# Altium PCB 1-quilter-input.PcbDoc (part 3 of 4)
Units mil, origin at the board's own origin, x right, y up, seen from the top; angles counter-clockwise.
Board outline 4130.55 x 4250 mil, 8 copper layers (TOP, L2_GND1, L3_IN1, L4_POWER_1, L5_POWER_2, L6_IN2, L7_GND2, BOTTOM), stack 61.99 mil thick; 591 components, 494 nets, 2245 pads, 0 vias.
Unrouted connection lines stored in the file: 1698.
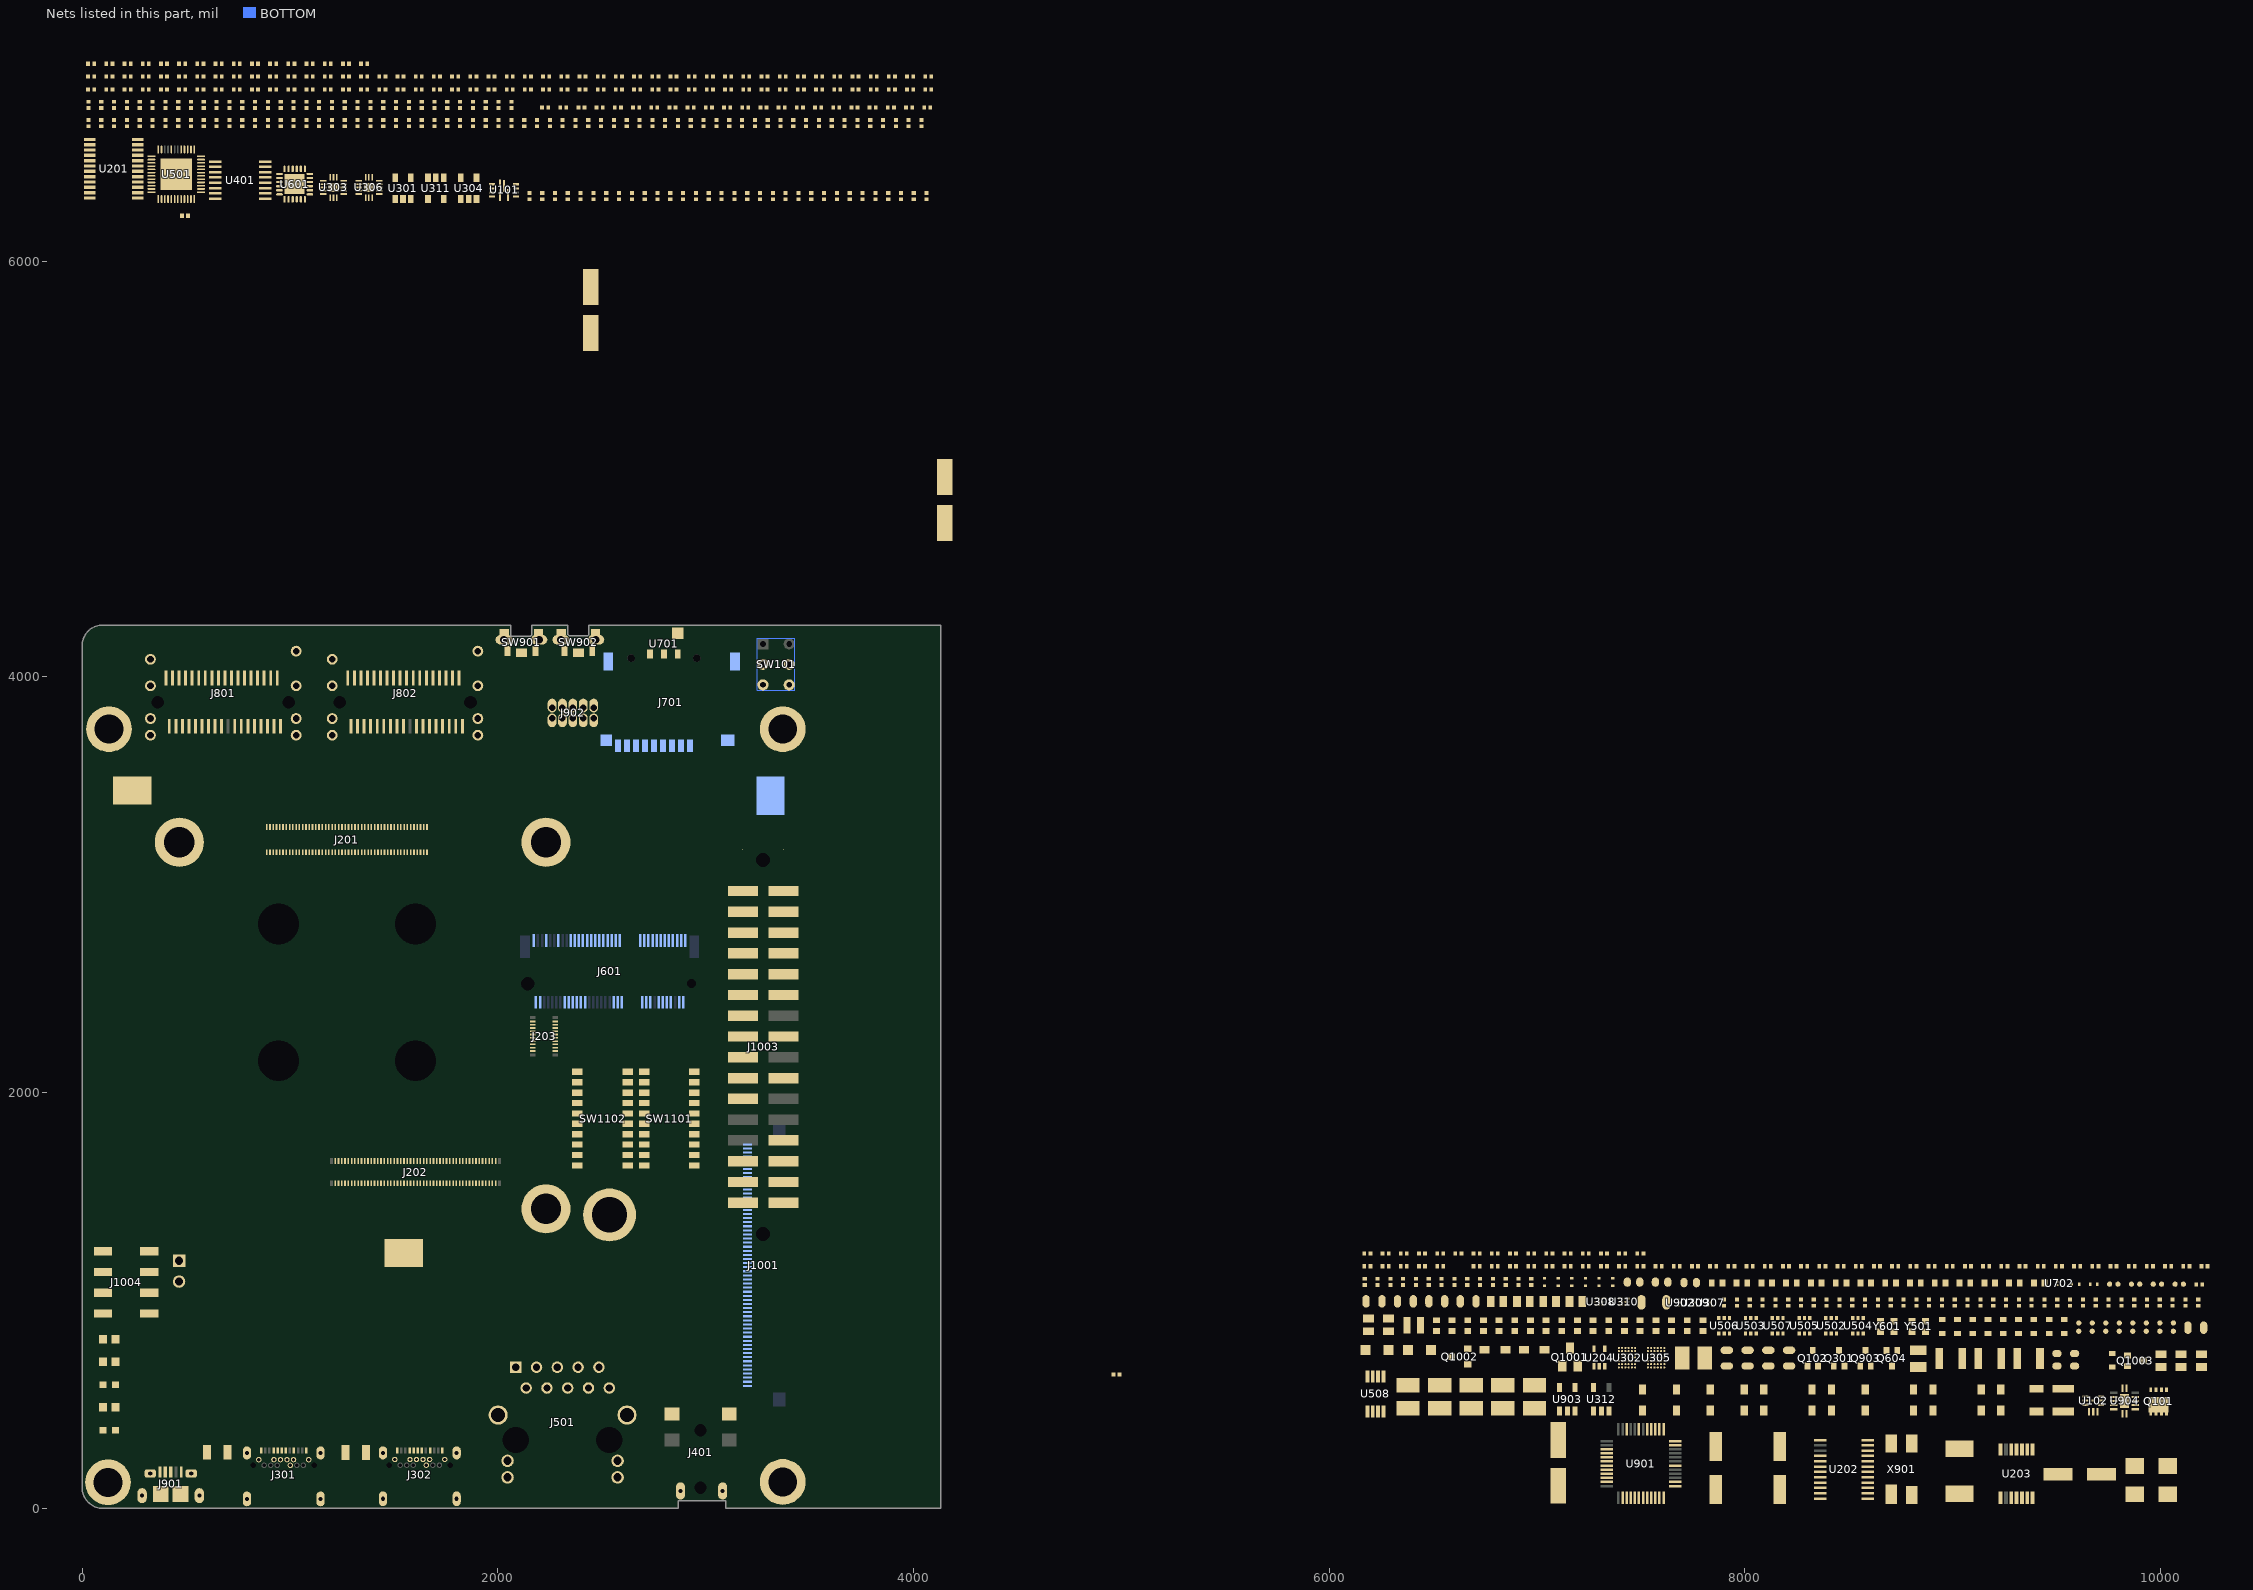
[diagram p5: the nets of this part, all layers, seen from the top]

## Part data (continued)
BH1207 BH1208 BH1209: library part MOUNT_HOLE, "FASTENER, STANDOFF M2.5X2.9MM OD5.1MM 1.5MM SN --", AGILE_PN=280-77209, CAD_APPROVED=Yes, CLASS=IC, ClassName="X-17 Mech_TP", FPLIST=standoff_circle_5p1-2p5mm,standoff_circle_5p1-2p5mm_nsp, HEIGHT=2.9MM, MFG_NAME01="WURTH ELEKTRONIK EISOS GMBH & CO. KG", MFG_PN01=9774015151R, PCB Footprint=standoff_circle_5p1-2p5mm_nsp, RoHS=Yes
  BH1207: Part Reference=BH1207
  BH1208: Part Reference=BH1208
  BH1209: Part Reference=BH1209
C101 C304 C305: library part CAP_POL, "CAP ALEL 100uF 50V 20% -- SMD", Tolerance=20%, Voltage=50V, AGILE_PN=150-79137, CAD_APPROVED=Yes, CLASS=DISCRETE, HEIGHT=10.5MM, MFG_NAME01=NICHICON, MFG_PN01=UUD1H101MNL1GS, PCB Footprint=cce8p3x8p3, RoHS=Yes
  C101: ClassName="C-06 Power Bot", Part Reference=C101
  C304: ClassName="C-08 USB TYPE-C DRP Bot 1", Part Reference=C304
  C305: ClassName="C-08 USB TYPE-C DRP Bot 2", Part Reference=C305
C102 C113 C138 C161 C503 C504 C507 C509 C510 C511 C512 C513 C520 C521 C522 C523 C524 C525 C526 C527 C917 C1004: library part CAP_NP, "CAP CER 0.22uF 50V 10% X5R 0402", Temp_Range="-55¡ãC to +85¡ãC", Tolerance=10%, Voltage=50V, AGILE_PN=150-79999, CAD_APPROVED=Yes, CLASS=DISCRETE, FPLIST=CC0402_25,CC0402_HD,0402_CC, HEIGHT=0.55MM, MFG_NAME01="Taiyo Yuden", MFG_PN01=UMK105BJ224KV-F, PCB Footprint=0402_CC, RoHS=Yes
  C102: ClassName="C-06 Power Bot", Part Reference=C102
  C113: ClassName="C-06 Power Bot", Part Reference=C113
  C138: ClassName="C-06 Power Bot", Part Reference=C138
  C161: ASSY_OPT=DNP, ClassName="C-06 Power Bot", Part Reference=C161
  C503: ClassName="C-10 Ethernet 1Gbps", Part Reference=C503, SIGNAL_MODEL=DEFAULT_CAPACITOR_220000pF_2_1
  C504: ClassName="C-10 Ethernet 1Gbps", Part Reference=C504, SIGNAL_MODEL=DEFAULT_CAPACITOR_220000pF_2_1
  C507: ClassName="C-10 Ethernet 1Gbps", Part Reference=C507, SIGNAL_MODEL=DEFAULT_CAPACITOR_220000pF_2_1
  C509: ClassName="C-10 Ethernet 1Gbps", Part Reference=C509, SIGNAL_MODEL=DEFAULT_CAPACITOR_220000pF_2_1
  C510: ClassName="C-10 Ethernet 1Gbps", Part Reference=C510, SIGNAL_MODEL=DEFAULT_CAPACITOR_220000pF_2_1
  C511: ClassName="C-10 Ethernet 1Gbps", Part Reference=C511, SIGNAL_MODEL=DEFAULT_CAPACITOR_220000pF_2_1
  C512: ClassName="C-10 Ethernet 1Gbps", Part Reference=C512, SIGNAL_MODEL=DEFAULT_CAPACITOR_220000pF_2_1
  C513: ClassName="C-10 Ethernet 1Gbps", Part Reference=C513, SIGNAL_MODEL=DEFAULT_CAPACITOR_220000pF_2_1
  C520: ClassName="C-10 Ethernet 1Gbps Bot 1", Part Reference=C520, SIGNAL_MODEL=DEFAULT_CAPACITOR_220000pF_2_1
  C521: ClassName="C-10 Ethernet 1Gbps Bot 1", Part Reference=C521, SIGNAL_MODEL=DEFAULT_CAPACITOR_220000pF_2_1
  C522: ClassName="C-10 Ethernet 1Gbps Bot 1", Part Reference=C522, SIGNAL_MODEL=DEFAULT_CAPACITOR_220000pF_2_1
  C523: ClassName="C-10 Ethernet 1Gbps", Part Reference=C523, SIGNAL_MODEL=DEFAULT_CAPACITOR_220000pF_2_1
  C524: ClassName="C-10 Ethernet 1Gbps", Part Reference=C524, SIGNAL_MODEL=DEFAULT_CAPACITOR_220000pF_2_1
  C525: ClassName="C-10 Ethernet 1Gbps Bot 1", Part Reference=C525, SIGNAL_MODEL=DEFAULT_CAPACITOR_220000pF_2_1
  C526: ClassName="C-10 Ethernet 1Gbps Bot 1", Part Reference=C526, SIGNAL_MODEL=DEFAULT_CAPACITOR_220000pF_2_1
  C527: ClassName="C-10 Ethernet 1Gbps Bot 1", Part Reference=C527, SIGNAL_MODEL=DEFAULT_CAPACITOR_220000pF_2_1
  C917: ClassName="C-14 Debug Bot", Part Reference=C917
  C1004: ClassName="C-15 Expansion CN Bot", Part Reference=C1004
C103 C309 C326: library part CAP_POL, "CAP ALEL 47uF 50V 20% SMD", Tolerance=20%, Voltage=50V, AGILE_PN=150-79704, CAD_APPROVED=Yes, CLASS=DISCRETE, HEIGHT=8MM, MFG_NAME01=NICHICON, MFG_PN01=UWT1H470MCL1GS, PCB Footprint=case_d_al, RoHS=Yes
  C103: ClassName="C-06 Power Bot", Part Reference=C103
  C309: ClassName="C-08 USB TYPE-C DRP Bot 1", Part Reference=C309
  C326: ClassName="C-08 USB TYPE-C DRP Bot 2", Part Reference=C326
C105 C106 C116 C117 C121 C145 C209 C211 C213 C215 C216 C219 C220 C221 C302 C308 C313 C314 C320 C322 C325 C329 C331 C336 C337 C338 C342 C343 C344 C615 C616 C617 C620 C621 C622 C704 C707 C802 C803 C804 C805 C806 C807 C902 C903 C909 C910 C911 C913 C914 C915 C916 C1002 C1003: library part CAP_NP, "CAP CER 0.1uF 50V 10% X7R 0402", Tolerance=10%, Voltage=50V, AGILE_PN=150-79069, CAD_APPROVED=Yes, CLASS=DISCRETE, FPLIST=CC0402_25,CC0402_HD,0402_CC, HEIGHT=0.55MM, MFG_NAME01=MURATA, MFG_PN01=GRM155R71H104KE14D, PCB Footprint=0402_CC, RoHS=Yes
  C105: ClassName="C-06 Power Bot", Part Reference=C105
  C106: ClassName="C-06 Power Bot", Part Reference=C106
  C116: ClassName="C-06 Power Bot", Part Reference=C116
  C117: ClassName="C-06 Power Bot", Part Reference=C117
  C121: ClassName="C-06 Power Bot", Part Reference=C121
  C145: ClassName="C-06 Power Bot", LEAD_FREE=YES, Part Reference=C145
  C209: ClassName="C-07 CPU IO INTERFACE Bot 4", Part Reference=C209
  C211: ClassName="C-07 CPU IO INTERFACE Bot 4", Part Reference=C211
  C213: ClassName="C-07 CPU IO INTERFACE Bot 4", Part Reference=C213
  C215: ClassName="C-07 CPU IO INTERFACE Bot 1", Part Reference=C215
  C216: ClassName="C-07 CPU IO INTERFACE Bot 1", Part Reference=C216
  C219: ClassName="C-07 CPU IO INTERFACE Bot 2", Part Reference=C219
  C220: ClassName="C-07 CPU IO INTERFACE Bot 2", Part Reference=C220
  C221: ClassName="C-07 CPU IO INTERFACE Bot 3", Part Reference=C221
  C302: ClassName="C-08 USB TYPE-C DRP Bot 1", Part Reference=C302
  C308: ClassName="C-08 USB TYPE-C DRP Bot 1", Part Reference=C308
  C313: ClassName="C-08 USB TYPE-C DRP Bot 1", Part Reference=C313
  C314: ClassName="C-08 USB TYPE-C DRP Bot 1", Part Reference=C314
  C320: ClassName="C-08 USB TYPE-C DRP", Part Reference=C320
  C322: ClassName="C-08 USB TYPE-C DRP Bot 2", Part Reference=C322
  C325: ClassName="C-08 USB TYPE-C DRP Bot 2", Part Reference=C325
  C329: ClassName="C-08 USB TYPE-C DRP Bot 2", Part Reference=C329
  C331: ClassName="C-08 USB TYPE-C DRP Bot 2", Part Reference=C331
  C336: ClassName="C-08 USB TYPE-C DRP", Part Reference=C336
  C337: ClassName="C-08 USB TYPE-C DRP Bot 1", Part Reference=C337
  C338: ClassName="C-08 USB TYPE-C DRP Bot 1", Part Reference=C338
  C342: ClassName="C-08 USB TYPE-C DRP Bot 1", Part Reference=C342
  C343: ClassName="C-08 USB TYPE-C DRP", Part Reference=C343
  C344: ClassName="C-08 USB TYPE-C DRP", Part Reference=C344
  C615: ClassName="C-11 PCIe Bot", Part Reference=C615
  C616: ClassName="C-11 PCIe Bot", Part Reference=C616
  C617: ClassName="C-11 PCIe Bot", Part Reference=C617
  C620: ClassName="C-11 PCIe Bot", Part Reference=C620
  C621: ClassName="C-11 PCIe Bot", Part Reference=C621
  C622: ClassName="C-11 PCIe Bot", Part Reference=C622
  C704: ClassName="C-12 MicroSD_Infrared_LED_BTN Bot", Part Reference=C704
  C707: ClassName="C-12 MicroSD_Infrared_LED_BTN", Part Reference=C707
  C802: ClassName="C-13 MIPI-DSI_CSI Bot", Part Reference=C802
  C803: ClassName="C-13 MIPI-DSI_CSI Bot", Part Reference=C803
  C804: ClassName="C-13 MIPI-DSI_CSI Bot", Part Reference=C804
  C805: ClassName="C-13 MIPI-DSI_CSI Bot", Part Reference=C805
  C806: ClassName="C-13 MIPI-DSI_CSI Bot", Part Reference=C806
  C807: ClassName="C-13 MIPI-DSI_CSI Bot", Part Reference=C807
  C902: ClassName="C-14 Debug", Part Reference=C902
  C903: ClassName="C-14 Debug", Part Reference=C903
  C909: ClassName="C-14 Debug", Part Reference=C909
  C910: ClassName="C-14 Debug Bot", Part Reference=C910
  C911: ClassName="C-14 Debug Bot", Part Reference=C911
  C913: ClassName="C-14 Debug Bot", Part Reference=C913
  C914: ClassName="C-14 Debug Bot", Part Reference=C914
  C915: ClassName="C-14 Debug", Part Reference=C915
  C916: ClassName="C-14 Debug", Part Reference=C916
  C1002: ClassName="C-15 Expansion CN Bot", Part Reference=C1002
  C1003: ClassName="C-15 Expansion CN Bot 3", Part Reference=C1003
C107 C108 C109 C157: library part CAP_NP, "CAP CER 100uF 16V 20% X5R 1210", Tolerance=20%, Voltage=16V, AGILE_PN=150-79142, CAD_APPROVED=Yes, CLASS=DISCRETE, ClassName="C-06 Power Bot", FPLIST=CC1210,1210_CC, HEIGHT=2.8MM, MFG_NAME01="Taiyo Yuden", MFG_PN01=EMK325ABJ107MM-T, PCB Footprint=1210_CC, RoHS=Yes
  C107: Part Reference=C107
  C108: Part Reference=C108
  C109: Part Reference=C109
  C157: Part Reference=C157
C114 C141 C401 C405 C501 C502 C505 C702 C901 C905 C918: library part CAP_NP, "CAP CER 1uF 16V 10% X5R 0402", Tolerance=10%, Voltage=16V, AGILE_PN=150-78973, CAD_APPROVED=Yes, CLASS=DISCRETE, FPLIST=CC0402_25,CC0402_HD,0402_CC, HEIGHT="0.55 MM", MFG_NAME01=YAGEO, MFG_PN01=CC0402KRX5R7BB105, PCB Footprint=0402_CC, RoHS=Yes
  C114: ClassName="C-06 Power Bot", Part Reference=C114
  C141: ClassName="C-06 Power Bot", Part Reference=C141
  C401: ClassName="C-09 Audio DAC", Part Reference=C401, SIGNAL_MODEL=DEFAULT_CAPACITOR_1e+06pF_2_1
  C405: ClassName="C-09 Audio DAC", Part Reference=C405, SIGNAL_MODEL=DEFAULT_CAPACITOR_1e+06pF_2_1
  C501: ClassName="C-10 Ethernet 1Gbps", Part Reference=C501, SIGNAL_MODEL=DEFAULT_CAPACITOR_1e+06pF_2_1
  C502: ClassName="C-10 Ethernet 1Gbps", Part Reference=C502, SIGNAL_MODEL=DEFAULT_CAPACITOR_1e+06pF_2_1
  C505: ClassName="C-10 Ethernet 1Gbps", Part Reference=C505, SIGNAL_MODEL=DEFAULT_CAPACITOR_1e+06pF_2_1
  C702: ClassName="C-12 MicroSD_Infrared_LED_BTN Bot", Part Reference=C702
  C901: ClassName="C-14 Debug", Part Reference=C901, SIGNAL_MODEL=DEFAULT_CAPACITOR_1e+06pF_2_1
  C905: ClassName="C-14 Debug Bot", Part Reference=C905, SIGNAL_MODEL=DEFAULT_CAPACITOR_1e+06pF_2_1
  C918: ClassName="C-14 Debug Bot", Part Reference=C918, SIGNAL_MODEL=DEFAULT_CAPACITOR_1e+06pF_2_1
C118 C122 C316 C333: library part CAP_NP, "CAP CER 1000PF 50V 5% C0G 0402", Tolerance=5%, Voltage=50V, AGILE_PN=150-76334, CAD_APPROVED=Yes, CLASS=DISCRETE, FPLIST=CC0402_25,CC0402_HD,0402_CC, HEIGHT=0.55MM, MFG_NAME01=MURATA, MFG_PN01=GRM1555C1H102JA01D, PCB Footprint=0402_CC, RoHS=Yes
  C118: ClassName="C-06 Power Bot", Part Reference=C118
  C122: ASSY_OPT=DNP, ClassName="C-06 Power Bot", Part Reference=C122
  C316: ClassName="C-08 USB TYPE-C DRP Bot 1", Part Reference=C316
  C333: ClassName="C-08 USB TYPE-C DRP Bot 2", Part Reference=C333
C119 C120 C212 C214 C217 C218 C708 C801 C811 C813 C814: library part CAP_NP, "CAP CER 22uF 10V 20% X5R 0603", Tolerance=20%, Voltage=10V, AGILE_PN=150-79530, CAD_APPROVED=Yes, CLASS=DISCRETE, FPLIST=CC0603_OV,CC0603,0603_CC, HEIGHT=1MM, MFG_NAME01=TDK, MFG_PN01=C1608X5R1A226M080AC, PCB Footprint=0603_CC, RoHS=Yes
  C119: ClassName="C-06 Power Bot", Part Reference=C119
  C120: ClassName="C-06 Power Bot", Part Reference=C120
  C212: ClassName="C-07 CPU IO INTERFACE Bot 4", Part Reference=C212
  C214: ClassName="C-07 CPU IO INTERFACE Bot 4", Part Reference=C214
  C217: ClassName="C-07 CPU IO INTERFACE Bot 4", Part Reference=C217
  C218: ClassName="C-07 CPU IO INTERFACE Bot 4", Part Reference=C218
  C708: ClassName="C-12 MicroSD_Infrared_LED_BTN Bot", Part Reference=C708
  C801: ClassName="C-13 MIPI-DSI_CSI Bot", Part Reference=C801, SIGNAL_MODEL=DEFAULT_CAPACITOR_2.2e+07pF_2_1, WVDC=6.3V
  C811: ClassName="C-13 MIPI-DSI_CSI Bot", Part Reference=C811, SIGNAL_MODEL=DEFAULT_CAPACITOR_2.2e+07pF_2_1, WVDC=6.3V
  C813: ClassName="C-13 MIPI-DSI_CSI Bot", Part Reference=C813, SIGNAL_MODEL=DEFAULT_CAPACITOR_2.2e+07pF_2_1, WVDC=6.3V
  C814: ClassName="C-13 MIPI-DSI_CSI Bot", Part Reference=C814, SIGNAL_MODEL=DEFAULT_CAPACITOR_2.2e+07pF_2_1, WVDC=6.3V
C142: library part CAP_NP, "CAP CER 10.0uF 16V 10% X7R 0805", Temp_Range="-55C to +125C", Voltage=16V, AGILE_PN=150-80121, CAD_APPROVED=Yes, CLASS=DISCRETE, ClassName="C-06 Power Bot", FPLIST=CC0805_OV,CC0805,0805_CC,cc0603_0805_nsp, HEIGHT=1.45MM, MFG_NAME01=MURATA, MFG_PN01=GRM21BZ71C106KE15, Part Reference=C142, PCB Footprint=0805_CC, RoHS=Yes
C159 C203 C204 C206 C208 C303 C315 C323 C330 C604 C606 C607 C609 C611: library part CAP_NP, "CAP CER 0.01UF 50V 10% X7R 0402", Tolerance=10%, Voltage=50V, AGILE_PN=150-30114, CAD_APPROVED=Yes, CLASS=DISCRETE, FPLIST=CC0402_25,CC0402_HD,0402_CC, HEIGHT="0.74 MM", MFG_NAME01="WALSIN TECHNOLOGY CORP.", MFG_PN01=0402B103K500CT, PCB Footprint=0402_CC, RoHS=Yes
  C159: ClassName="C-06 Power Bot", Part Reference=C159
  C203: ClassName="C-07 CPU IO INTERFACE Bot 5", Part Reference=C203, TOL=10%
  C204: ClassName="C-07 CPU IO INTERFACE Bot 5", Part Reference=C204, TOL=10%
  C206: ClassName="C-07 CPU IO INTERFACE Bot 5", Part Reference=C206, TOL=10%
  C208: ClassName="C-07 CPU IO INTERFACE Bot 5", Part Reference=C208, TOL=10%
  C303: ASSY_OPT=DNP, ClassName="C-08 USB TYPE-C DRP", Part Reference=C303, TOL=10%
  C315: ClassName="C-08 USB TYPE-C DRP Bot 1", Part Reference=C315
  C323: ClassName="C-08 USB TYPE-C DRP", Part Reference=C323, TOL=10%
  C330: ClassName="C-08 USB TYPE-C DRP Bot 2", Part Reference=C330
  C604: ClassName="C-11 PCIe Bot", Part Reference=C604, TOL=10%
  C606: ClassName="C-11 PCIe Bot", Part Reference=C606, TOL=10%
  C607: ClassName="C-11 PCIe", Part Reference=C607, TOL=10%
  C609: ClassName="C-11 PCIe Bot", Part Reference=C609, TOL=10%
  C611: ClassName="C-11 PCIe Bot", Part Reference=C611, TOL=10%
C160: library part CAP_NP, "CAP CER 220PF 50V 5% C0G 0402", Tolerance=5%, Voltage=50V, AGILE_PN=150-30297, ASSY_OPT=DNP, CAD_APPROVED=Yes, CLASS=DISCRETE, ClassName="C-06 Power Bot", FPLIST=CC0402_25,CC0402_HD,0402_CC, HEIGHT=0.55MM, MFG_NAME01=KEMET, MFG_PN01=C0402C221J5GAC, Part Reference=C160, PCB Footprint=0402_CC, RoHS=Yes
C201 C202 C205 C207 C603 C605 C608: library part CAP_NP, "CAP CER 1uF 16V 10% X5R 0402", Tolerance=10%, Voltage=16V, Voltage Rating=10V, AGILE_PN=150-78973, CAD_APPROVED=Yes, CLASS=DISCRETE, FPLIST=CC0402_25,CC0402_HD,0402_CC, HEIGHT="0.55 MM", MFG_NAME01=YAGEO, MFG_PN01=CC0402KRX5R7BB105, PCB Footprint=0402_CC, RoHS=Yes, TOL=10%
  C201: ClassName="C-07 CPU IO INTERFACE Bot 5", Part Reference=C201
  C202: ClassName="C-07 CPU IO INTERFACE Bot 5", Part Reference=C202
  C205: ClassName="C-07 CPU IO INTERFACE Bot 5", Part Reference=C205
  C207: ClassName="C-07 CPU IO INTERFACE 2", Part Reference=C207
  C603: ClassName="C-11 PCIe Bot", Part Reference=C603
  C605: ClassName="C-11 PCIe Bot", Part Reference=C605
  C608: ClassName="C-11 PCIe Bot", Part Reference=C608
C210 C812 C815: library part CAP_NP, "CAP CER 22UF 16V 10% X5R 0805", Tolerance=10%, Voltage=16V, AGILE_PN=150-78843, CAD_APPROVED=Yes, CLASS=DISCRETE, FPLIST=CC0805_OV,CC0805,0805_CC, HEIGHT=1.45MM, MFG_NAME01=TDK, MFG_PN01=C2012X5R1C226K, PCB Footprint=0805_CC, RoHS=Yes
  C210: ClassName="C-07 CPU IO INTERFACE Bot 4", Part Reference=C210
  C812: ClassName="C-13 MIPI-DSI_CSI Bot", Part Reference=C812
  C815: ClassName="C-13 MIPI-DSI_CSI Bot", Part Reference=C815
C301 C321: library part CAP_NP, "CAP CER 4.7UF 50V 10% X7R 1210", Tolerance=10%, Voltage=50V, AGILE_PN=150-76570, CAD_APPROVED=Yes, CLASS=DISCRETE, FPLIST=CC1210,1210_CC, HEIGHT=2.7MM, MFG_NAME01=MURATA, MFG_PN01=GRM32ER71H475KA88L, PCB Footprint=CC1210, RoHS=Yes
  C301: ClassName="C-08 USB TYPE-C DRP Bot 1", Part Reference=C301
  C321: ClassName="C-08 USB TYPE-C DRP Bot 2", Part Reference=C321
C311 C327: library part MOT_CAP, "CAP CER 47UF 16V 10% X5R 1210", Tolerance=10%, Voltage=16V, AGILE_PN=150-75908, CAD_APPROVED=Yes, CLASS=DISCRETE, FPLIST=CC1210,1210_CC, HEIGHT="2.7 mm", MFG_NAME01=MURATA, MFG_PN01=GRM32ER61C476KE15L, PCB Footprint=CC1210, RoHS=Yes
  C311: ClassName="C-08 USB TYPE-C DRP Bot 1", Part Reference=C311
  C327: ClassName="C-08 USB TYPE-C DRP Bot 2", Part Reference=C327
C317 C319 C334 C335 C402 C403: library part CAP_NP, "CAP CER 4.7uF 10V 10% X7S 0603", Tolerance=10%, Voltage=10V, AGILE_PN=150-79499, CAD_APPROVED=Yes, CLASS=DISCRETE, FPLIST=CC0603_OV,CC0603,0603_CC, HEIGHT="0.95 MM", MFG_NAME01=murata, MFG_PN01=GRM188C71A475KE11D, PCB Footprint=0603_CC, RoHS=Yes
  C317: ClassName="C-08 USB TYPE-C DRP Bot 1", Part Reference=C317
  C319: ClassName="C-08 USB TYPE-C DRP", Part Reference=C319
  C334: ClassName="C-08 USB TYPE-C DRP Bot 2", Part Reference=C334
  C335: ClassName="C-08 USB TYPE-C DRP", Part Reference=C335
  C402: ClassName="C-09 Audio DAC", Part Reference=C402
  C403: ClassName="C-09 Audio DAC", Part Reference=C403
C318 C332 C340 C404: library part CAP_NP, "CAP CER 2.2uF 10V 10% X5R 0402", Tolerance=10%, Voltage=10V, AGILE_PN=150-78974, CAD_APPROVED=Yes, CLASS=DISCRETE, FPLIST=CC0402_25,CC0402_HD,0402_CC, HEIGHT="0.55 MM", MFG_NAME01=TDK, MFG_PN01=C1005X5R1A225K, PCB Footprint=0402_CC, RoHS=Yes
  C318: ClassName="C-08 USB TYPE-C DRP", Part Reference=C318
  C332: ClassName="C-08 USB TYPE-C DRP", Part Reference=C332
  C340: ClassName="C-08 USB TYPE-C DRP", Part Reference=C340
  C404: ClassName="C-09 Audio DAC", Part Reference=C404
C339: library part CAP_NP, "CAP CER 1.0UF 35V 10% X5R 0603", Tolerance=10%, Voltage=35V, AGILE_PN=150-77293, CAD_APPROVED=Yes, CLASS=DISCRETE, ClassName="C-08 USB TYPE-C DRP", FPLIST=CC0603_OV,CC0603,0603_CC, HEIGHT=0.9MM, MFG_NAME01="Taiyo Yuden", MFG_PN01=GMK107BJ105KA-T, Part Reference=C339, PCB Footprint=CC0603_OV, RoHS=Yes
C341 C613 C614: library part CAP_NP, "CAP CER 18PF 50V 1% C0G 0402", Tolerance=1%, Voltage=50V, AGILE_PN=150-76630, CAD_APPROVED=Yes, CLASS=DISCRETE, FPLIST=CC0402_25,CC0402_HD,0402_CC, HEIGHT=0.59MM, MFG_NAME01=YAGEO, MFG_PN01=CC0402FRNPO9BN180, PCB Footprint=0402_CC, PRIORITY_PN=021-00248, RoHS=Yes, ROOM=ATLAS-AP
  C341: ASSY_OPT=DNP, ClassName="C-08 USB TYPE-C DRP", Part Reference=C341
  C613: ClassName="C-11 PCIe Bot", Part Reference=C613
  C614: ClassName="C-11 PCIe Bot", Part Reference=C614
C406 C407: library part CAP_NP, "CAP CER 2700pF 50V 5% C0G 0603", Tolerance=5%, Voltage=50V, AGILE_PN=150-78873, CAD_APPROVED=Yes, CLASS=DISCRETE, ClassName="C-09 Audio DAC", FPLIST=CC0603_OV,CC0603,0603_CC, HEIGHT=0.87MM, MFG_NAME01=KEMET, MFG_PN01=C0603C272J5GACTU, PCB Footprint=0603_CC, RoHS=Yes
  C406: Part Reference=C406
  C407: Part Reference=C407
C506: library part CAP_NP, "CAP CER 10uF 25V 20% X5R 0603", Tolerance=20%, Voltage=25V, AGILE_PN=150-79272, CAD_APPROVED=Yes, CLASS=DISCRETE, ClassName="C-10 Ethernet 1Gbps", FPLIST=CC0603_OV,CC0603,0603_CC, HEIGHT=1MM, MFG_NAME01=Murata, MFG_PN01=GRM188R61E106MA73D, Part Reference=C506, PCB Footprint=0603_CC, RoHS=Yes
C508 C618 C623 C906 C912: library part CAP_NP, "CAP CER 10UF 10V 10% X5R 0603", Temp_Range="-55¡ãC ~ 85¡ãC", Tolerance=10%, Voltage=10v, AGILE_PN=150-78675, CAD_APPROVED=Yes, CLASS=DISCRETE, FPLIST=CC0603_OV,CC0603,0603_CC, HEIGHT=1.016MM, MFG_NAME01=MURATA, MFG_PN01=GRM188R61A106KE69D, PCB Footprint=0603_CC, RoHS=Yes
  C508: ClassName="C-10 Ethernet 1Gbps", Part Reference=C508
  C618: ClassName="C-11 PCIe Bot", Part Reference=C618
  C623: ClassName="C-11 PCIe Bot", Part Reference=C623
  C906: ClassName="C-14 Debug Bot", Part Reference=C906
  C912: ClassName="C-14 Debug Bot", Part Reference=C912
C514 C515 C516: library part CAP_NP, "CAP CER 470PF 50V 10% X7R 0402", Tolerance=10%, Voltage=50V, AGILE_PN=150-75452, ASSY_OPT=DNP, CAD_APPROVED=Yes, CLASS=DISCRETE, ClassName="C-10 Ethernet 1Gbps Bot 1", FPLIST=CC0402_25,CC0402_HD,0402_CC, HEIGHT=0.55MM, MFG_NAME01=MURATA, MFG_PN01=GRM155R71H471KA01D, PCB Footprint=0402_CC, PRIORITY_PN=021-00340, RoHS=Yes, ROOM=RGMII_PHY, SIGNAL_MODEL=DEFAULT_CAPACITOR_470pF_2_1, WVDC=50V
  C514: Part Reference=C514
  C515: Part Reference=C515
  C516: Part Reference=C516
C517: library part CAP_NP, "CAP CER 1000PF 2KV 10% X7R 1210", Tolerance=10%, Voltage=2KV, AGILE_PN=150-75027, CAD_APPROVED=Yes, CLASS=DISCRETE, ClassName="C-10 Ethernet 1Gbps Bot 2", FPLIST=CC1210,1210_CC, HEIGHT=1.7MM, MFG_NAME01=AVX, MFG_PN01=1210GC102KAT1A, Part Reference=C517, PCB Footprint=CC1210, RoHS=Yes, WVDC=2KV
C518 C519: library part CAP_NP, "CAP CER 22PF 50V 5% C0G 0402", Tolerance=5%, Voltage=50V, AGILE_PN=150-75266, CAD_APPROVED=Yes, CLASS=DISCRETE, ClassName="C-10 Ethernet 1Gbps Bot 1", FPLIST=CC0402_25,CC0402_HD,0402_CC, HEIGHT=0.635MM, MFG_NAME01=AVX, MFG_PN01=04025A220JAT2A, PCB Footprint=0402_CC, PRIORITY_PN=021-00234, RoHS=Yes, ROOM=RGMII_PHY, SIGNAL_MODEL=DEFAULT_CAPACITOR_22pF_2_1, WVDC=50V
  C518: Part Reference=C518
  C519: Part Reference=C519
C624 C625: library part CAP_POL, "CAP TANT 220UF ESR 1.300 OHM 10V 20% 1210", Tolerance=20%, Voltage=10V, AGILE_PN=150-79247, CAD_APPROVED=Yes, CLASS=DISCRETE, ClassName="C-11 PCIe Bot", HEIGHT=1.2MM, MFG_NAME01=AVX, MFG_PN01=TLNT227M010R1300, PCB Footprint=cc3528-21, RoHS=Yes
  C624: Part Reference=C624
  C625: ASSY_OPT=DNP, Part Reference=C625
C703 C706: library part CAP_NP, "CAP CER 47uF 10V 20% X5R 0805", Tolerance=20%, Voltage=10V, AGILE_PN=150-78979, CAD_APPROVED=Yes, CLASS=DISCRETE, ClassName="C-12 MicroSD_Infrared_LED_BTN", FPLIST=CC0805_OV,CC0805,0805_CC, HEIGHT="1.45 MM", MFG_NAME01=TDK, MFG_PN01=C2012X5R1A476M125AC, PCB Footprint=0805_CC, RoHS=Yes
  C703: Part Reference=C703

## Text inside footprints (layer, text, board x,y; h text height)
U901: Top Overlay "1" at 7378.19,25.29 h31 r90; Top Overlay "12" at 7651.18,14.98 h31 r90; Top Overlay "13" at 7690.26,49.29 h31 r90; Top Overlay "24" at 7688.34,335.07 h31 r90; Top Overlay "25" at 7649.71,372.23 h31 r90; Top Overlay "36" at 7377.08,372.97 h31 r90; Top Overlay "37" at 7340.29,334.33 h31 r90; Top Overlay "48" at 7340.29,45.15 h31 r90; Top Assembly "1" at 7375.26,34.29 h25 r90; Top Assembly "48" at 7335.26,54.29 h25 r90; Top Assembly "37" at 7336.74,336.33 h25 r90; Top Assembly "36" at 7373.62,367.22 h25 r90; Top Assembly "25" at 7645.26,369.29 h25 r90; Top Assembly "24" at 7676.62,335.83 h25 r90; Top Assembly "13" at 7675.26,59.29 h25 r90; Top Pin Number "39" at 7345.84,288.24 h15 r180; Top Pin Number "23" at 7676.84,307.94 h15 r180; Top Pin Number "7" at 7514.95,48.79 h15 r90; Top Pin Number "8" at 7534.65,48.79 h15 r90; Top Pin Number "24" at 7676.84,327.64 h15 r180; Top Pin Number "46" at 7345.84,150.34 h15 r180; Top Pin Number "40" at 7345.84,268.54 h15 r180; Top Pin Number "2" at 7416.45,48.79 h15 r90; Top Pin Number "10" at 7573.89,48.79 h15 r90; Top Pin Number "14" at 7676.84,130.64 h15 r180; Top Pin Number "31" at 7495.09,379.79 h15 r90; Top Pin Number "26" at 7593.59,379.79 h15 r90; Top Pin Number "44" at 7345.84,189.74 h15 r180; Top Pin Number "4" at 7455.85,48.79 h15 r90; Top Pin Number "5" at 7475.55,48.79 h15 r90; Top Pin Number "43" at 7345.84,209.44 h15 r180; Top Pin Number "6" at 7495.25,48.79 h15 r90; Top Pin Number "41" at 7345.84,248.84 h15 r180; Top Pin Number "20" at 7676.84,248.84 h15 r180; Top Pin Number "21" at 7676.84,268.54 h15 r180; Top Pin Number "22" at 7676.84,288.24 h15 r180; Top Pin Number "15" at 7676.84,150.34 h15 r180; Top Pin Number "13" at 7676.84,110.94 h15 r180; Top Pin Number "29" at 7534.49,379.79 h15 r90; Top Pin Number "27" at 7573.89,379.79 h15 r90; Top Pin Number "28" at 7554.19,379.79 h15 r90; Top Pin Number "11" at 7593.59,48.79 h15 r90; Top Pin Number "12" at 7613.29,48.79 h15 r90; Top Pin Number "3" at 7436.15,48.79 h15 r90; Top Pin Number "42" at 7345.84,229.14 h15 r180; Top Pin Number "25" at 7613.29,379.79 h15 r90; Top Pin Number "34" at 7435.99,379.79 h15 r90; Top Pin Number "18" at 7676.84,209.44 h15 r180; Top Pin Number "9" at 7554.35,48.79 h15 r90; Top Pin Number "47" at 7345.84,130.64 h15 r180; Top Pin Number "45" at 7345.84,170.04 h15 r180; Top Pin Number "1" at 7396.75,48.79 h15 r90; Top Pin Number "48" at 7345.84,110.94 h15 r180; Top Pin Number "32" at 7475.39,379.79 h15 r90; Top Pin Number "33" at 7455.69,379.79 h15 r90; Top Pin Number "35" at 7416.29,379.79 h15 r90; Top Pin Number "36" at 7396.59,379.79 h15 r90; Top Pin Number "37" at 7345.84,327.64 h15 r180; Top Pin Number "38" at 7345.84,307.94 h15 r180; Top Pin Number "30" at 7514.79,379.79 h15 r90; Top Pin Number "16" at 7676.84,170.04 h15 r180; Top Pin Number "17" at 7676.84,189.74 h15 r180; Top Pin Number "19" at 7676.84,229.14 h15 r180
U902: Top Overlay "1" at 7692.14,951.56 h15 r270; Top Overlay "C" at 7717.14,1013.13 h15 r270; Top Overlay "A" at 7718.14,978.49 h15 r270; Top Assembly "C" at 7723.97,1009.9 h10 r180; Top Assembly "A" at 7723.69,976.51 h10 r180; Top Assembly "1" at 7700.83,953.77 h10 r180; Top Pin Number "A1" at 7699.59,975.52 h5 r180; Top Pin Number "A2" at 7684.92,975.52 h5 r180; Top Pin Number "C2" at 7684.92,1007.02 h5 r180; Top Pin Number "C1" at 7699.59,1007.02 h5 r180; Top Pin Number "B1" at 7691.46,991.27 h5 r180
U903: Top Overlay "1" at 7091.76,443.68 h15 r270
U904: Top Overlay "1" at 9916.91,445.12 h20 r90; Top Assembly "1" at 9890.11,470.03 h25 r90; Top Pin Number "6" at 9883.09,551.4 h10 r90; Top Pin Number "9" at 9780.73,551.4 h10 r90; Top Pin Number "15" at 9831.91,508.12 h10 r90; Top Pin Number "7" at 9841.75,572.81 h10 r90; Top Pin Number "1" at 9841.75,452.91 h10 r90; Top Pin Number "4" at 9883.09,511.55 h10 r90; Top Pin Number "3" at 9883.09,492.1 h10 r90; Top Pin Number "2" at 9883.09,472.42 h10 r90; Top Pin Number "5" at 9883.09,531.48 h10 r90; Top Pin Number "14" at 9822.07,446.86 h10 r90; Top Pin Number "8" at 9822.07,572.81 h10 r90; Top Pin Number "11" at 9780.73,510.26 h10 r90; Top Pin Number "13" at 9780.73,468.75 h10 r90; Top Pin Number "12" at 9780.73,488.43 h10 r90; Top Pin Number "10" at 9780.73,527.81 h10 r90
X901: Top Overlay "1" at 8614.04,351.31 h31 r270; Top Pin Number "3" at 8802.58,58.55 h25 r270; Top Pin Number "1" at 8705.81,303 h25 r270; Top Pin Number "2" at 8799.66,303.51 h25 r270; Top Pin Number "4" at 8704.63,57.45 h25 r270
Y501: Top Overlay "1" at 8921.85,923.63 h31 r180; Top Pin Number "2" at 8812.53,909.63 h25 r180; Top Pin Number "4" at 8877.53,859.63 h25 r180; Top Pin Number "1" at 8877.53,909.63 h25 r180; Top Pin Number "3" at 8812.53,859.63 h25 r180
Y601: Top Overlay "1" at 8769.85,923.63 h31 r180; Top Pin Number "2" at 8660.53,909.63 h25 r180; Top Pin Number "4" at 8725.53,859.63 h25 r180; Top Pin Number "1" at 8725.53,909.63 h25 r180; Top Pin Number "3" at 8660.53,859.63 h25 r180